# EAGLE board Mk4 Final a Panel score 2x5 (EAGLE 9.0.1), part 7 of 29 (continued)
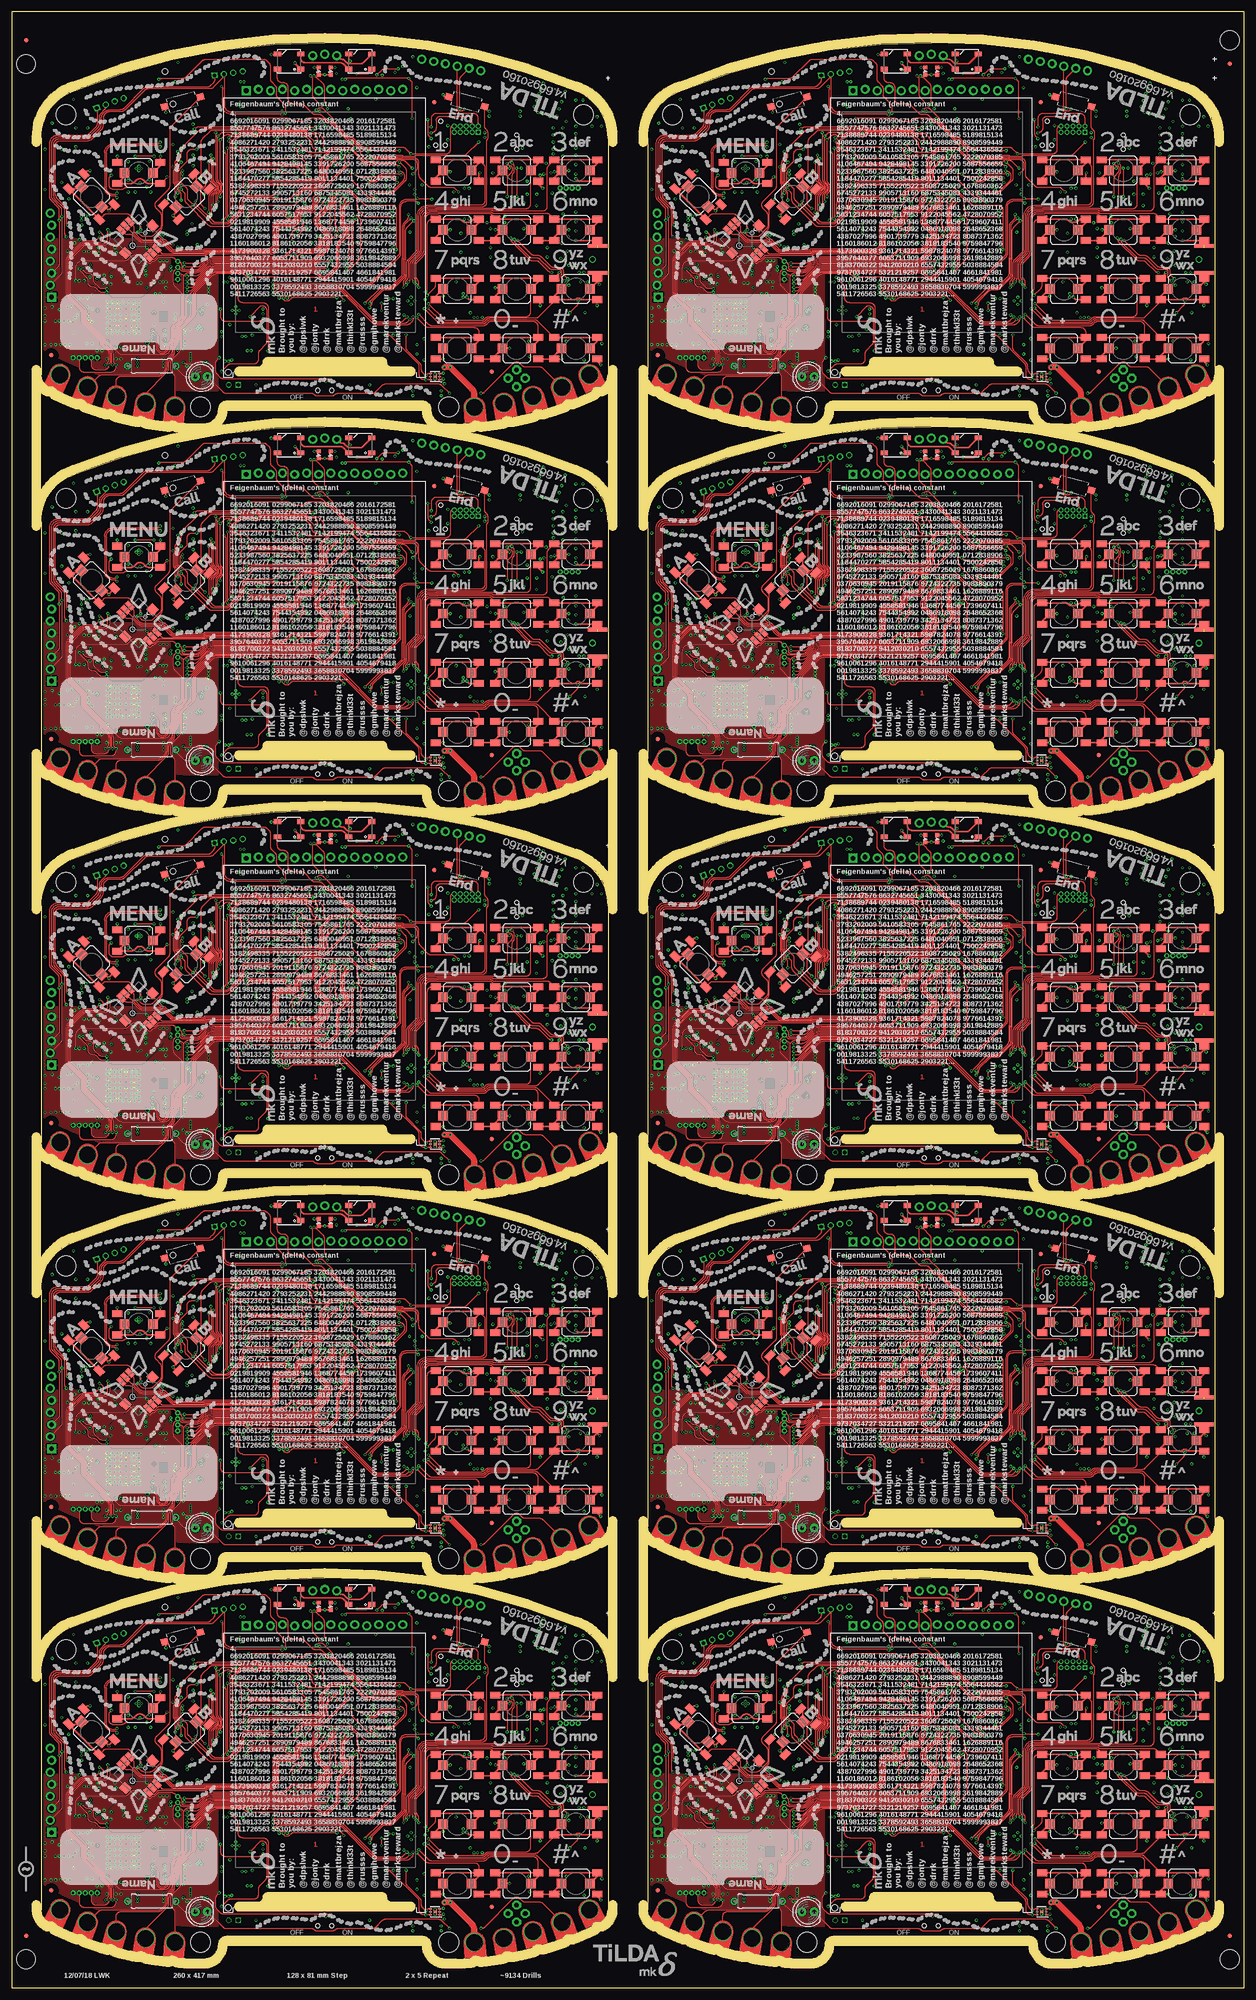
[diagram p0: board, top side]
## Tracks (layer width: path | path; a pad name or v marks a point on that pad's centre or on a via) (continued)
  Bottom 0.5: C115.2 211.14,76 JP12.14
  other vias: 186.5,47.25 167.15,26.15 167.95,26.15 168.3,30.35 168,29.35 167.7,29.95
  pour 3V3@2 (isolate 0.254, rank 6): 134.2,68.5 134.2,15 arc31 166,6 168.7,6 arc90 171.5,8.8 arc-90 173.5,10.8 214.5,10.8 arc-90 216.5,8.8 arc90 219.3,6 222,6 arc31 253.8,15 253.8,38.5 247.5,38.5 247.5,68.5 253.8,68.5 arc64 247.25,76.25 arc24 194,86.5 arc24 140.75,76.25 arc55
  pour Bottom (no thermals): 186.25,46 186.25,47.3 186.45,47.5 186.8,47.5 187,47.3 187,45.75 186.5,45.25 186.5,43.75 186,43.75 186,45.75
  pour Bottom (no thermals): 170.3,21.65 168.75,21.65 168.35,22.05 arc45 167.99,22.2 166.85,22.2 166.85,29.39 arc-45 167,29.75 167.85,30.6 arc-45 168.21,30.75 168.25,30.75 arc-90 168.75,30.25 168.75,30.11 arc-45 168.6,29.75 168.45,29.6 arc45 168.3,29.24 168.3,23.4 arc90 168.8,22.9 169.8,22.9 arc-90 170.3,22.4
  pour Top: 158.35,40.85 156.65,39.15 arc-45 156.29,39 150.41,39 arc45 149.71,38.71 148.79,37.79 arc45 148.5,37.09 148.5,34 arc90 149.5,33 155.09,33 arc45 155.79,33.29 159.71,37.21 arc45 160,37.91 160,38.29 arc-45 160.15,38.65 161.35,39.85 arc45 161.5,40.21 161.5,40.5 arc90 161,41 158.71,41 arc45
3V2  (via drill 0.3)
  Top 0.2: IC52.1 90.69,96.35 arc45 v91.05,96.5
  Top 0.3: SW3.COM 29.58,123.17 v28.5,124.25
  Bottom 0.15: v80.5,105.75 C318.1 80,106.5 arc-90 79.5,107 79.5,107.16 arc-90 IC50.5
  Bottom 0.2: IC38.9 69,130.75 C231.2 | IC38.8 69.4,133.19 arc-45 69.55,133.55 v69.75,133.75 69.8,133.7 IC38.7 | IC38.16 66.2,131.01 arc45 66.35,130.65 C230.2 v66.5,129.75 | IC38.47 57.46,139.4 arc45 C228.2 | IC38.113 74.14,139.8 arc45 74.84,140.09 C227.2 | IC38.79 65.4,148.44 arc45 65.11,149.14 C229.2 | IC38.69 61.4,146.86 arc-45 v61.25,146.5 61.15,146.6 arc-45 61,146.96 IC38.68 | 26.75,114.28 IC47.47 | IC38.90 69.8,146.55 v69.75,146.5 | IC38.51 v57,141 57.11,141.11 arc-45 57.81,141.4 IC38.52 | IC38.39 v59.5,136.2 | IC38.28 61.4,131.35 arc90 v61.75,131 arc90 62.2,131.45 IC38.26 | R171.1 v73.5,132.5 | IC38.122 72.62,136.2 arc-45 v72.5,136.25 | v91.05,96.5 C320.1 | IC38.101 74.95,144.6 v75.1,144.45 | R184.2 v78.75,134 | R183.2 79.07,136.32 arc-45 v79.5,136.5 | R222.1 14.5,126.5 arc-45 v14.25,125.9
  Bottom 0.25: J21.41 58.25,125 | J21.40 58.75,124.29 arc45 58.6,124.65 58.25,125 | J21.42 57.75,124.29 arc-45 57.9,124.65 58.25,125 | J21.35 v61.25,122.5 | J21.1 v78.25,122.5 | J21.8 v74.75,125 | J21.7 75.25,124.5 v74.75,125 | J21.9 74.25,124.5 v74.75,125 | C231.2 69.25,129.12 C232.2 69.5,128.62 v69.5,127.75 | v56,139.1 C228.2 | v76.25,140.75 C227.2 | v65,150 C229.2 | R166.2 v65,153 | R167.2 v56,147.25 | C305.1 26.16,115.5 arc45 25.46,115.21 arc45 25.25,114.71 IC47.44 | IC47.39 22.75,116.55 C306.1 | IC47.37 21.75,116.35 C304.1 | C307.1 v22,103.25 22.46,103.71 arc45 22.75,104.41 IC47.10 | C308.1 v30,110.5 29.9,110.6 arc45 29.54,110.75 IC47.54 | IC49.21 C239.2 | v80,117.3 R230.2 | JP21.8 68.35,158.71 arc45 68.5,159.06 C221.2 | IC46.6 27.12,138.03 v27.05,137.95 C293.1
  Bottom 0.3: 27.22,114.75 26.75,114.28 | R229.2 v15.25,117.25 | JP19.1 91.63,149.63 v92,150 | IC45.14 100.81,146.44 R212.2 C280.2 v99.75,147.5 | IC40.8 75.35,133.15 C220.2 v75.25,134 | R172.1 v84,127.5 | C246.2 48.43,129.25 IC37.27 48.33,129.25 v47.25,129.25 | v38.25,141.5 arc-45 37.77,141.3 IC37.43 35.8,141.3 C242.2 | v38.25,146 38.15,146.1 IC37.49 35.85,146.1 C245.2 | v47.25,148.5 IC37.3 C240.2 | v47.25,150.25 47.4,150.1 IC37.1 49.65,150.1 C244.2 | v47.25,143.75 47.3,143.7 IC37.9 49.7,143.7 C241.2 | v47.25,139.75 47.3,139.7 IC37.14 49.7,139.7 C243.2 | C261.2 v32,121.5 | C261.2 32.75,122 v32.75,121.5 | C261.2 31.25,122 v31.25,121.5 | v85,136.5 R206.2 | C319.1 R216.1 | R182.2 R181.2 v51.3,135.75 | C304.1 v20.85,116.5 | C222.2 74.89,155.61 JP21.11 | v86.6,137.45 C279.2 86.03,137.72 IC44.8 | J26.7 J26.3 | J28.7 J28.3 | IC53.5 C323.1 v84.6,94
  Bottom 0.4: 27.22,114.75 28.19,114.75 arc45 28.89,115.04 C309.1 29.6,116.39 arc-45 29.75,116.75 v30,117 | v27.25,116.75 27.25,116.66 arc-45 26.96,115.96 26.7,115.7 C305.1 26.5,115.7 v26.5,116.75 | C306.1 23.1,116.7 v23.65,117.25 | v32.25,106.75 R224.2 | v32.25,104.75 R225.2 | v22,123.15 22.5,123.15 arc90 23.5,124.15 C294.2 23.5,124.53 arc45 23.21,125.24 IC48.8 | R223.2 v18.25,124.25 | v80.5,113.5 C239.2 | v34.95,102.6 R216.1 | C262.2 v26.5,100 | C262.2 27,100.75 v26.5,100.75 | C262.2 27,99.25 v26.5,99.25 | IC54.1 93.05,97 C324.1 91.96,97 arc45 91.26,96.71 v91.05,96.5 | TP54.TP 39.55,108.95 v39.55,107.65
  Bottom 0.5: C223.2 83.14,157 JP21.14
  other vias: 58.5,128.25 39.15,107.15 39.95,107.15 40.3,111.35 40,110.35 39.7,110.95
  pour 3V3@2 (isolate 0.254, rank 6): 6.2,149.5 6.2,96 arc31 38,87 40.7,87 arc90 43.5,89.8 arc-90 45.5,91.8 86.5,91.8 arc-90 88.5,89.8 arc90 91.3,87 94,87 arc31 125.8,96 125.8,119.5 119.5,119.5 119.5,149.5 125.8,149.5 arc64 119.25,157.25 arc24 66,167.5 arc24 12.75,157.25 arc55
  pour Bottom (no thermals): 58.25,127 58.25,128.3 58.45,128.5 58.8,128.5 59,128.3 59,126.75 58.5,126.25 58.5,124.75 58,124.75 58,126.75
  pour Bottom (no thermals): 42.3,102.65 40.75,102.65 40.35,103.05 arc45 39.99,103.2 38.85,103.2 38.85,110.39 arc-45 39,110.75 39.85,111.6 arc-45 40.21,111.75 40.25,111.75 arc-90 40.75,111.25 40.75,111.11 arc-45 40.6,110.75 40.45,110.6 arc45 40.3,110.24 40.3,104.4 arc90 40.8,103.9 41.8,103.9 arc-90 42.3,103.4
  pour Top: 30.35,121.85 28.65,120.15 arc-45 28.29,120 22.41,120 arc45 21.71,119.71 20.79,118.79 arc45 20.5,118.09 20.5,115 arc90 21.5,114 27.09,114 arc45 27.79,114.29 31.71,118.21 arc45 32,118.91 32,119.29 arc-45 32.15,119.65 33.35,120.85 arc45 33.5,121.21 33.5,121.5 arc90 33,122 30.71,122 arc45
3V3  (via drill 0.3)
  Top 0.2: IC17.1 90.69,15.35 arc45 v91.05,15.5
  Top 0.3: SW1.COM 29.58,42.17 v28.5,43.25
  Bottom 0.15: v80.5,24.75 C102.1 80,25.5 arc-90 79.5,26 79.5,26.16 arc-90 IC16.5
  Bottom 0.2: IC1.9 69,49.75 C13.2 | IC1.8 69.4,52.19 arc-45 69.55,52.55 v69.75,52.75 69.8,52.7 IC1.7 | IC1.16 66.2,50.01 arc45 66.35,49.65 C12.2 v66.5,48.75 | IC1.47 57.46,58.4 arc45 C10.2 | IC1.113 74.14,58.8 arc45 74.84,59.09 C9.2 | IC1.79 65.4,67.44 arc45 65.11,68.14 C11.2 | IC1.69 61.4,65.86 arc-45 v61.25,65.5 61.15,65.6 arc-45 61,65.96 IC1.68 | 26.75,33.28 IC15.47 | IC1.90 69.8,65.55 v69.75,65.5 | IC1.51 v57,60 57.11,60.11 arc-45 57.81,60.4 IC1.52 | IC1.39 v59.5,55.2 | IC1.28 61.4,50.35 arc90 v61.75,50 arc90 62.2,50.45 IC1.26 | R9.1 v73.5,51.5 | IC1.122 72.62,55.2 arc-45 v72.5,55.25 | v91.05,15.5 C104.1 | IC1.101 74.95,63.6 v75.1,63.45 | R24.2 v78.75,53 | R23.2 79.07,55.32 arc-45 v79.5,55.5 | R66.1 14.5,45.5 arc-45 v14.25,44.9
  Bottom 0.25: J2.41 58.25,44 | J2.40 58.75,43.29 arc45 58.6,43.65 58.25,44 | J2.42 57.75,43.29 arc-45 57.9,43.65 58.25,44 | J2.35 v61.25,41.5 | J2.1 v78.25,41.5 | J2.8 v74.75,44 | J2.7 75.25,43.5 v74.75,44 | J2.9 74.25,43.5 v74.75,44 | C13.2 69.25,48.12 C14.2 69.5,47.62 v69.5,46.75 | v56,58.1 C10.2 | v76.25,59.75 C9.2 | v65,69 C11.2 | R4.2 v65,72 | R5.2 v56,66.25 | C89.1 26.16,34.5 arc45 25.46,34.21 arc45 25.25,33.71 IC15.44 | IC15.39 22.75,35.55 C90.1 | IC15.37 21.75,35.35 C88.1 | C91.1 v22,22.25 22.46,22.71 arc45 22.75,23.41 IC15.10 | C92.1 v30,29.5 29.9,29.6 arc45 29.54,29.75 IC15.54 | IC4.21 C21.2 | v80,36.3 R76.2 | JP7.8 68.35,77.71 arc45 68.5,78.06 C3.2 | IC13.6 27.12,57.02 v27.05,56.95 C58.1
  Bottom 0.3: 27.22,33.75 26.75,33.28 | R73.2 v15.25,36.25 | JP4.1 91.63,68.63 v92,69 | IC12.14 100.81,65.44 R56.2 C71.2 v99.75,66.5 | IC6.8 75.35,52.15 C2.2 v75.25,53 | R10.1 v84,46.5 | C28.2 48.43,48.25 IC2.27 48.33,48.25 v47.25,48.25 | v38.25,60.5 arc-45 37.77,60.3 IC2.43 35.8,60.3 C24.2 | v38.25,65 38.15,65.1 IC2.49 35.85,65.1 C27.2 | v47.25,67.5 IC2.3 C22.2 | v47.25,69.25 47.4,69.1 IC2.1 49.65,69.1 C26.2 | v47.25,62.75 47.3,62.7 IC2.9 49.7,62.7 C23.2 | v47.25,58.75 47.3,58.7 IC2.14 49.7,58.7 C25.2 | C42.2 v32,40.5 | C42.2 32.75,41 v32.75,40.5 | C42.2 31.25,41 v31.25,40.5 | v85,55.5 R50.2 | C103.1 R60.1 | R22.2 R21.2 v51.3,54.75 | C88.1 v20.85,35.5 | C4.2 74.89,74.61 JP7.11 | v86.6,56.45 C70.2 86.03,56.73 IC11.8 | J10.7 J10.3 | J8.7 J8.3 | IC3.5 C107.1 v84.6,13
  Bottom 0.4: 27.22,33.75 28.19,33.75 arc45 28.89,34.04 C93.1 29.6,35.39 arc-45 29.75,35.75 v30,36 | v27.25,35.75 27.25,35.66 arc-45 26.96,34.96 26.7,34.7 C89.1 26.5,34.7 v26.5,35.75 | C90.1 23.1,35.7 v23.65,36.25 | v32.25,25.75 R68.2 | v32.25,23.75 R69.2 | v22,42.15 22.5,42.15 arc90 23.5,43.15 C59.2 23.5,43.53 arc45 23.21,44.24 IC14.8 | R67.2 v18.25,43.25 | v80.5,32.5 C21.2 | v34.95,21.6 R60.1 | C43.2 v26.5,19 | C43.2 27,19.75 v26.5,19.75 | C43.2 27,18.25 v26.5,18.25 | IC18.1 93.05,16 C108.1 91.96,16 arc45 91.26,15.71 v91.05,15.5 | TP16.TP 39.55,27.95 v39.55,26.65
  Bottom 0.5: C5.2 83.14,76 JP7.14
  other vias: 58.5,47.25 39.15,26.15 39.95,26.15 40.3,30.35 40,29.35 39.7,29.95
  pour 3V3@2 (isolate 0.254, rank 6): 6.2,68.5 6.2,15 arc31 38,6 40.7,6 arc90 43.5,8.8 arc-90 45.5,10.8 86.5,10.8 arc-90 88.5,8.8 arc90 91.3,6 94,6 arc31 125.8,15 125.8,38.5 119.5,38.5 119.5,68.5 125.8,68.5 arc64 119.25,76.25 arc24 66,86.5 arc24 12.75,76.25 arc55
  pour Bottom (no thermals): 58.25,46 58.25,47.3 58.45,47.5 58.8,47.5 59,47.3 59,45.75 58.5,45.25 58.5,43.75 58,43.75 58,45.75
  pour Bottom (no thermals): 42.3,21.65 40.75,21.65 40.35,22.05 arc45 39.99,22.2 38.85,22.2 38.85,29.39 arc-45 39,29.75 39.85,30.6 arc-45 40.21,30.75 40.25,30.75 arc-90 40.75,30.25 40.75,30.11 arc-45 40.6,29.75 40.45,29.6 arc45 40.3,29.24 40.3,23.4 arc90 40.8,22.9 41.8,22.9 arc-90 42.3,22.4
  pour Top: 30.35,40.85 28.65,39.15 arc-45 28.29,39 22.41,39 arc45 21.71,38.71 20.79,37.79 arc45 20.5,37.09 20.5,34 arc90 21.5,33 27.09,33 arc45 27.79,33.29 31.71,37.21 arc45 32,37.91 32,38.29 arc-45 32.15,38.65 33.35,39.85 arc45 33.5,40.21 33.5,40.5 arc90 33,41 30.71,41 arc45
3V4  (via drill 0.3)
  Top 0.2: IC70.1 218.69,96.35 arc45 v219.05,96.5
  Top 0.3: SW4.COM 157.58,123.17 v156.5,124.25
  Bottom 0.15: v208.5,105.75 C426.1 208,106.5 arc-90 207.5,107 207.5,107.16 arc-90 IC68.5
  Bottom 0.2: IC56.9 197,130.75 C339.2 | IC56.8 197.4,133.19 arc-45 197.55,133.55 v197.75,133.75 197.8,133.7 IC56.7 | IC56.16 194.2,131.01 arc45 194.35,130.65 C338.2 v194.5,129.75 | IC56.47 185.46,139.4 arc45 C336.2 | IC56.113 202.14,139.8 arc45 202.84,140.09 C335.2 | IC56.79 193.4,148.44 arc45 193.11,149.14 C337.2 | IC56.69 189.4,146.86 arc-45 v189.25,146.5 189.15,146.6 arc-45 189,146.96 IC56.68 | 154.75,114.28 IC65.47 | IC56.90 197.8,146.55 v197.75,146.5 | IC56.51 v185,141 185.11,141.11 arc-45 185.81,141.4 IC56.52 | IC56.39 v187.5,136.2 | IC56.28 189.4,131.35 arc90 v189.75,131 arc90 190.2,131.45 IC56.26 | R249.1 v201.5,132.5 | IC56.122 200.62,136.2 arc-45 v200.5,136.25 | v219.05,96.5 C428.1 | IC56.101 202.95,144.6 v203.1,144.45 | R262.2 v206.75,134 | R261.2 207.07,136.32 arc-45 v207.5,136.5 | R300.1 142.5,126.5 arc-45 v142.25,125.9
  Bottom 0.25: J31.41 186.25,125 | J31.40 186.75,124.29 arc45 186.6,124.65 186.25,125 | J31.42 185.75,124.29 arc-45 185.9,124.65 186.25,125 | J31.35 v189.25,122.5 | J31.1 v206.25,122.5 | J31.8 v202.75,125 | J31.7 203.25,124.5 v202.75,125 | J31.9 202.25,124.5 v202.75,125 | C339.2 197.25,129.12 C340.2 197.5,128.62 v197.5,127.75 | v184,139.1 C336.2 | v204.25,140.75 C335.2 | v193,150 C337.2 | R244.2 v193,153 | R245.2 v184,147.25 | C413.1 154.16,115.5 arc45 153.46,115.21 arc45 153.25,114.71 IC65.44 | IC65.39 150.75,116.55 C414.1 | IC65.37 149.75,116.35 C412.1 | C415.1 v150,103.25 150.46,103.71 arc45 150.75,104.41 IC65.10 | C416.1 v158,110.5 157.9,110.6 arc45 157.54,110.75 IC65.54 | IC67.21 C347.2 | v208,117.3 R308.2 | JP30.8 196.35,158.71 arc45 196.5,159.06 C329.2 | IC64.6 155.12,138.03 v155.05,137.95 C401.1
  Bottom 0.3: 155.22,114.75 154.75,114.28 | R307.2 v143.25,117.25 | JP28.1 219.63,149.63 v220,150 | IC63.14 228.81,146.44 R290.2 C388.2 v227.75,147.5 | IC58.8 203.35,133.15 C328.2 v203.25,134 | R250.1 v212,127.5 | C354.2 176.43,129.25 IC55.27 176.33,129.25 v175.25,129.25 | v166.25,141.5 arc-45 165.77,141.3 IC55.43 163.8,141.3 C350.2 | v166.25,146 166.15,146.1 IC55.49 163.85,146.1 C353.2 | v175.25,148.5 IC55.3 C348.2 | v175.25,150.25 175.4,150.1 IC55.1 177.65,150.1 C352.2 | v175.25,143.75 175.3,143.7 IC55.9 177.7,143.7 C349.2 | v175.25,139.75 175.3,139.7 IC55.14 177.7,139.7 C351.2 | C369.2 v160,121.5 | C369.2 160.75,122 v160.75,121.5 | C369.2 159.25,122 v159.25,121.5 | v213,136.5 R284.2 | C427.1 R294.1 | R260.2 R259.2 v179.3,135.75 | C412.1 v148.85,116.5 | C330.2 202.89,155.61 JP30.11 | v214.6,137.45 C387.2 214.03,137.72 IC62.8 | J36.7 J36.3 | J38.7 J38.3 | IC71.5 C431.1 v212.6,94
  Bottom 0.4: 155.22,114.75 156.19,114.75 arc45 156.89,115.04 C417.1 157.6,116.39 arc-45 157.75,116.75 v158,117 | v155.25,116.75 155.25,116.66 arc-45 154.96,115.96 154.7,115.7 C413.1 154.5,115.7 v154.5,116.75 | C414.1 151.1,116.7 v151.65,117.25 | v160.25,106.75 R302.2 | v160.25,104.75 R303.2 | v150,123.15 150.5,123.15 arc90 151.5,124.15 C402.2 151.5,124.53 arc45 151.21,125.24 IC66.8 | R301.2 v146.25,124.25 | v208.5,113.5 C347.2 | v162.95,102.6 R294.1 | C370.2 v154.5,100 | C370.2 155,100.75 v154.5,100.75 | C370.2 155,99.25 v154.5,99.25 | IC72.1 221.05,97 C432.1 219.96,97 arc45 219.26,96.71 v219.05,96.5 | TP73.TP 167.55,108.95 v167.55,107.65
  Bottom 0.5: C331.2 211.14,157 JP30.14
  other vias: 186.5,128.25 167.15,107.15 167.95,107.15 168.3,111.35 168,110.35 167.7,110.95
  pour 3V3@2 (isolate 0.254, rank 6): 134.2,149.5 134.2,96 arc31 166,87 168.7,87 arc90 171.5,89.8 arc-90 173.5,91.8 214.5,91.8 arc-90 216.5,89.8 arc90 219.3,87 222,87 arc31 253.8,96 253.8,119.5 247.5,119.5 247.5,149.5 253.8,149.5 arc64 247.25,157.25 arc24 194,167.5 arc24 140.75,157.25 arc55
  pour Bottom (no thermals): 186.25,127 186.25,128.3 186.45,128.5 186.8,128.5 187,128.3 187,126.75 186.5,126.25 186.5,124.75 186,124.75 186,126.75
  pour Bottom (no thermals): 170.3,102.65 168.75,102.65 168.35,103.05 arc45 167.99,103.2 166.85,103.2 166.85,110.39 arc-45 167,110.75 167.85,111.6 arc-45 168.21,111.75 168.25,111.75 arc-90 168.75,111.25 168.75,111.11 arc-45 168.6,110.75 168.45,110.6 arc45 168.3,110.24 168.3,104.4 arc90 168.8,103.9 169.8,103.9 arc-90 170.3,103.4
  pour Top: 158.35,121.85 156.65,120.15 arc-45 156.29,120 150.41,120 arc45 149.71,119.71 148.79,118.79 arc45 148.5,118.09 148.5,115 arc90 149.5,114 155.09,114 arc45 155.79,114.29 159.71,118.21 arc45 160,118.91 160,119.29 arc-45 160.15,119.65 161.35,120.85 arc45 161.5,121.21 161.5,121.5 arc90 161,122 158.71,122 arc45
3V5  (via drill 0.3)
  Top 0.2: IC88.1 90.69,177.35 arc45 v91.05,177.5
  Top 0.3: SW5.COM 29.58,204.17 v28.5,205.25
  Bottom 0.15: v80.5,186.75 C534.1 80,187.5 arc-90 79.5,188 79.5,188.16 arc-90 IC86.5
  Bottom 0.2: IC74.9 69,211.75 C447.2 | IC74.8 69.4,214.19 arc-45 69.55,214.55 v69.75,214.75 69.8,214.7 IC74.7 | IC74.16 66.2,212.01 arc45 66.35,211.65 C446.2 v66.5,210.75 | IC74.47 57.46,220.4 arc45 C444.2 | IC74.113 74.14,220.8 arc45 74.84,221.09 C443.2 | IC74.79 65.4,229.44 arc45 65.11,230.14 C445.2 | IC74.69 61.4,227.86 arc-45 v61.25,227.5 61.15,227.6 arc-45 61,227.96 IC74.68 | 26.75,195.28 IC83.47 | IC74.90 69.8,227.55 v69.75,227.5 | IC74.51 v57,222 57.11,222.11 arc-45 57.81,222.4 IC74.52 | IC74.39 v59.5,217.2 | IC74.28 61.4,212.35 arc90 v61.75,212 arc90 62.2,212.45 IC74.26 | R327.1 v73.5,213.5 | IC74.122 72.62,217.2 arc-45 v72.5,217.25 | v91.05,177.5 C536.1 | IC74.101 74.95,225.6 v75.1,225.45 | R340.2 v78.75,215 | R339.2 79.07,217.32 arc-45 v79.5,217.5 | R378.1 14.5,207.5 arc-45 v14.25,206.9
  Bottom 0.25: J41.41 58.25,206 | J41.40 58.75,205.29 arc45 58.6,205.65 58.25,206 | J41.42 57.75,205.29 arc-45 57.9,205.65 58.25,206 | J41.35 v61.25,203.5 | J41.1 v78.25,203.5 | J41.8 v74.75,206 | J41.7 75.25,205.5 v74.75,206 | J41.9 74.25,205.5 v74.75,206 | C447.2 69.25,210.12 C448.2 69.5,209.62 v69.5,208.75 | v56,220.1 C444.2 | v76.25,221.75 C443.2 | v65,231 C445.2 | R322.2 v65,234 | R323.2 v56,228.25 | C521.1 26.16,196.5 arc45 25.46,196.21 arc45 25.25,195.71 IC83.44 | IC83.39 22.75,197.55 C522.1 | IC83.37 21.75,197.35 C520.1 | C523.1 v22,184.25 22.46,184.71 arc45 22.75,185.41 IC83.10 | C524.1 v30,191.5 29.9,191.6 arc45 29.54,191.75 IC83.54 | IC85.21 C455.2 | v80,198.3 R386.2 | JP39.8 68.35,239.71 arc45 68.5,240.06 C437.2 | IC82.6 27.12,219.03 v27.05,218.95 C509.1
  Bottom 0.3: 27.22,195.75 26.75,195.28 | R385.2 v15.25,198.25 | JP37.1 91.63,230.63 v92,231 | IC81.14 100.81,227.44 R368.2 C496.2 v99.75,228.5 | IC76.8 75.35,214.15 C436.2 v75.25,215 | R328.1 v84,208.5 | C462.2 48.43,210.25 IC73.27 48.33,210.25 v47.25,210.25 | v38.25,222.5 arc-45 37.77,222.3 IC73.43 35.8,222.3 C458.2 | v38.25,227 38.15,227.1 IC73.49 35.85,227.1 C461.2 | v47.25,229.5 IC73.3 C456.2 | v47.25,231.25 47.4,231.1 IC73.1 49.65,231.1 C460.2 | v47.25,224.75 47.3,224.7 IC73.9 49.7,224.7 C457.2 | v47.25,220.75 47.3,220.7 IC73.14 49.7,220.7 C459.2 | C477.2 v32,202.5 | C477.2 32.75,203 v32.75,202.5 | C477.2 31.25,203 v31.25,202.5 | v85,217.5 R362.2 | C535.1 R372.1 | R338.2 R337.2 v51.3,216.75 | C520.1 v20.85,197.5 | C438.2 74.89,236.61 JP39.11 | v86.6,218.45 C495.2 86.03,218.72 IC80.8 | J46.7 J46.3 | J48.7 J48.3 | IC89.5 C539.1 v84.6,175
  Bottom 0.4: 27.22,195.75 28.19,195.75 arc45 28.89,196.04 C525.1 29.6,197.39 arc-45 29.75,197.75 v30,198 | v27.25,197.75 27.25,197.66 arc-45 26.96,196.96 26.7,196.7 C521.1 26.5,196.7 v26.5,197.75 | C522.1 23.1,197.7 v23.65,198.25 | v32.25,187.75 R380.2 | v32.25,185.75 R381.2 | v22,204.15 22.5,204.15 arc90 23.5,205.15 C510.2 23.5,205.53 arc45 23.21,206.24 IC84.8 | R379.2 v18.25,205.25 | v80.5,194.5 C455.2 | v34.95,183.6 R372.1 | C478.2 v26.5,181 | C478.2 27,181.75 v26.5,181.75 | C478.2 27,180.25 v26.5,180.25 | IC90.1 93.05,178 C540.1 91.96,178 arc45 91.26,177.71 v91.05,177.5 | TP92.TP 39.55,189.95 v39.55,188.65
  Bottom 0.5: C439.2 83.14,238 JP39.14
  other vias: 58.5,209.25 39.15,188.15 39.95,188.15 40.3,192.35 40,191.35 39.7,191.95
  pour 3V3@2 (isolate 0.254, rank 6): 6.2,230.5 6.2,177 arc31 38,168 40.7,168 arc90 43.5,170.8 arc-90 45.5,172.8 86.5,172.8 arc-90 88.5,170.8 arc90 91.3,168 94,168 arc31 125.8,177 125.8,200.5 119.5,200.5 119.5,230.5 125.8,230.5 arc64 119.25,238.25 arc24 66,248.5 arc24 12.75,238.25 arc55
  pour Bottom (no thermals): 58.25,208 58.25,209.3 58.45,209.5 58.8,209.5 59,209.3 59,207.75 58.5,207.25 58.5,205.75 58,205.75 58,207.75
  pour Bottom (no thermals): 42.3,183.65 40.75,183.65 40.35,184.05 arc45 39.99,184.2 38.85,184.2 38.85,191.39 arc-45 39,191.75 39.85,192.6 arc-45 40.21,192.75 40.25,192.75 arc-90 40.75,192.25 40.75,192.11 arc-45 40.6,191.75 40.45,191.6 arc45 40.3,191.24 40.3,185.4 arc90 40.8,184.9 41.8,184.9 arc-90 42.3,184.4
  pour Top: 30.35,202.85 28.65,201.15 arc-45 28.29,201 22.41,201 arc45 21.71,200.71 20.79,199.79 arc45 20.5,199.09 20.5,196 arc90 21.5,195 27.09,195 arc45 27.79,195.29 31.71,199.21 arc45 32,199.91 32,200.29 arc-45 32.15,200.65 33.35,201.85 arc45 33.5,202.21 33.5,202.5 arc90 33,203 30.71,203 arc45
3V6  (via drill 0.3)
  Top 0.2: IC106.1 218.69,177.35 arc45 v219.05,177.5
  Top 0.3: SW6.COM 157.58,204.17 v156.5,205.25
  Bottom 0.15: v208.5,186.75 C642.1 208,187.5 arc-90 207.5,188 207.5,188.16 arc-90 IC104.5
  Bottom 0.2: IC92.9 197,211.75 C555.2 | IC92.8 197.4,214.19 arc-45 197.55,214.55 v197.75,214.75 197.8,214.7 IC92.7 | IC92.16 194.2,212.01 arc45 194.35,211.65 C554.2 v194.5,210.75 | IC92.47 185.46,220.4 arc45 C552.2 | IC92.113 202.14,220.8 arc45 202.84,221.09 C551.2 | IC92.79 193.4,229.44 arc45 193.11,230.14 C553.2 | IC92.69 189.4,227.86 arc-45 v189.25,227.5 189.15,227.6 arc-45 189,227.96 IC92.68 | 154.75,195.28 IC101.47 | IC92.90 197.8,227.55 v197.75,227.5 | IC92.51 v185,222 185.11,222.11 arc-45 185.81,222.4 IC92.52 | IC92.39 v187.5,217.2 | IC92.28 189.4,212.35 arc90 v189.75,212 arc90 190.2,212.45 IC92.26 | R405.1 v201.5,213.5 | IC92.122 200.62,217.2 arc-45 v200.5,217.25 | v219.05,177.5 C644.1 | IC92.101 202.95,225.6 v203.1,225.45 | R418.2 v206.75,215 | R417.2 207.07,217.32 arc-45 v207.5,217.5 | R456.1 142.5,207.5 arc-45 v142.25,206.9
  Bottom 0.25: J51.41 186.25,206 | J51.40 186.75,205.29 arc45 186.6,205.65 186.25,206 | J51.42 185.75,205.29 arc-45 185.9,205.65 186.25,206 | J51.35 v189.25,203.5 | J51.1 v206.25,203.5 | J51.8 v202.75,206 | J51.7 203.25,205.5 v202.75,206 | J51.9 202.25,205.5 v202.75,206 | C555.2 197.25,210.12 C556.2 197.5,209.62 v197.5,208.75 | v184,220.1 C552.2 | v204.25,221.75 C551.2 | v193,231 C553.2 | R400.2 v193,234 | R401.2 v184,228.25 | C629.1 154.16,196.5 arc45 153.46,196.21 arc45 153.25,195.71 IC101.44 | IC101.39 150.75,197.55 C630.1 | IC101.37 149.75,197.35 C628.1 | C631.1 v150,184.25 150.46,184.71 arc45 150.75,185.41 IC101.10 | C632.1 v158,191.5 157.9,191.6 arc45 157.54,191.75 IC101.54 | IC103.21 C563.2 | v208,198.3 R464.2 | JP48.8 196.35,239.71 arc45 196.5,240.06 C545.2 | IC100.6 155.12,219.03 v155.05,218.95 C617.1
  Bottom 0.3: 155.22,195.75 154.75,195.28 | R463.2 v143.25,198.25 | JP46.1 219.63,230.63 v220,231 | IC99.14 228.81,227.44 R446.2 C604.2 v227.75,228.5 | IC94.8 203.35,214.15 C544.2 v203.25,215 | R406.1 v212,208.5 | C570.2 176.43,210.25 IC91.27 176.33,210.25 v175.25,210.25 | v166.25,222.5 arc-45 165.77,222.3 IC91.43 163.8,222.3 C566.2 | v166.25,227 166.15,227.1 IC91.49 163.85,227.1 C569.2 | v175.25,229.5 IC91.3 C564.2 | v175.25,231.25 175.4,231.1 IC91.1 177.65,231.1 C568.2 | v175.25,224.75 175.3,224.7 IC91.9 177.7,224.7 C565.2 | v175.25,220.75 175.3,220.7 IC91.14 177.7,220.7 C567.2 | C585.2 v160,202.5 | C585.2 160.75,203 v160.75,202.5 | C585.2 159.25,203 v159.25,202.5 | v213,217.5 R440.2 | C643.1 R450.1 | R416.2 R415.2 v179.3,216.75 | C628.1 v148.85,197.5 | C546.2 202.89,236.61 JP48.11 | v214.6,218.45 C603.2 214.03,218.72 IC98.8 | J56.7 J56.3 | J58.7 J58.3 | IC107.5 C647.1 v212.6,175
  Bottom 0.4: 155.22,195.75 156.19,195.75 arc45 156.89,196.04 C633.1 157.6,197.39 arc-45 157.75,197.75 v158,198 | v155.25,197.75 155.25,197.66 arc-45 154.96,196.96 154.7,196.7 C629.1 154.5,196.7 v154.5,197.75 | C630.1 151.1,197.7 v151.65,198.25 | v160.25,187.75 R458.2 | v160.25,185.75 R459.2 | v150,204.15 150.5,204.15 arc90 151.5,205.15 C618.2 151.5,205.53 arc45 151.21,206.24 IC102.8 | R457.2 v146.25,205.25 | v208.5,194.5 C563.2 | v162.95,183.6 R450.1 | C586.2 v154.5,181 | C586.2 155,181.75 v154.5,181.75 | C586.2 155,180.25 v154.5,180.25 | IC108.1 221.05,178 C648.1 219.96,178 arc45 219.26,177.71 v219.05,177.5 | TP111.TP 167.55,189.95 v167.55,188.65
  Bottom 0.5: C547.2 211.14,238 JP48.14
  other vias: 186.5,209.25 167.15,188.15 167.95,188.15 168.3,192.35 168,191.35 167.7,191.95
  pour 3V3@2 (isolate 0.254, rank 6): 134.2,230.5 134.2,177 arc31 166,168 168.7,168 arc90 171.5,170.8 arc-90 173.5,172.8 214.5,172.8 arc-90 216.5,170.8 arc90 219.3,168 222,168 arc31 253.8,177 253.8,200.5 247.5,200.5 247.5,230.5 253.8,230.5 arc64 247.25,238.25 arc24 194,248.5 arc24 140.75,238.25 arc55
  pour Bottom (no thermals): 186.25,208 186.25,209.3 186.45,209.5 186.8,209.5 187,209.3 187,207.75 186.5,207.25 186.5,205.75 186,205.75 186,207.75
  pour Bottom (no thermals): 170.3,183.65 168.75,183.65 168.35,184.05 arc45 167.99,184.2 166.85,184.2 166.85,191.39 arc-45 167,191.75 167.85,192.6 arc-45 168.21,192.75 168.25,192.75 arc-90 168.75,192.25 168.75,192.11 arc-45 168.6,191.75 168.45,191.6 arc45 168.3,191.24 168.3,185.4 arc90 168.8,184.9 169.8,184.9 arc-90 170.3,184.4
  pour Top: 158.35,202.85 156.65,201.15 arc-45 156.29,201 150.41,201 arc45 149.71,200.71 148.79,199.79 arc45 148.5,199.09 148.5,196 arc90 149.5,195 155.09,195 arc45 155.79,195.29 159.71,199.21 arc45 160,199.91 160,200.29 arc-45 160.15,200.65 161.35,201.85 arc45 161.5,202.21 161.5,202.5 arc90 161,203 158.71,203 arc45
3V7  (via drill 0.3)
  Top 0.2: IC124.1 90.69,258.35 arc45 v91.05,258.5
  Top 0.3: SW7.COM 29.58,285.17 v28.5,286.25
  Bottom 0.15: v80.5,267.75 C750.1 80,268.5 arc-90 79.5,269 79.5,269.16 arc-90 IC122.5
  Bottom 0.2: IC110.9 69,292.75 C663.2 | IC110.8 69.4,295.19 arc-45 69.55,295.55 v69.75,295.75 69.8,295.7 IC110.7 | IC110.16 66.2,293.01 arc45 66.35,292.65 C662.2 v66.5,291.75 | IC110.47 57.46,301.4 arc45 C660.2 | IC110.113 74.14,301.8 arc45 74.84,302.09 C659.2 | IC110.79 65.4,310.44 arc45 65.11,311.14 C661.2 | IC110.69 61.4,308.86 arc-45 v61.25,308.5 61.15,308.6 arc-45 61,308.96 IC110.68 | 26.75,276.28 IC119.47 | IC110.90 69.8,308.55 v69.75,308.5 | IC110.51 v57,303 57.11,303.11 arc-45 57.81,303.4 IC110.52 | IC110.39 v59.5,298.2 | IC110.28 61.4,293.35 arc90 v61.75,293 arc90 62.2,293.45 IC110.26 | R483.1 v73.5,294.5 | IC110.122 72.62,298.2 arc-45 v72.5,298.25 | v91.05,258.5 C752.1 | IC110.101 74.95,306.6 v75.1,306.45 | R496.2 v78.75,296 | R495.2 79.07,298.32 arc-45 v79.5,298.5 | R534.1 14.5,288.5 arc-45 v14.25,287.9